# KiCad board SparkFun_RTK_mosaic-T_panelized.kicad_pcb
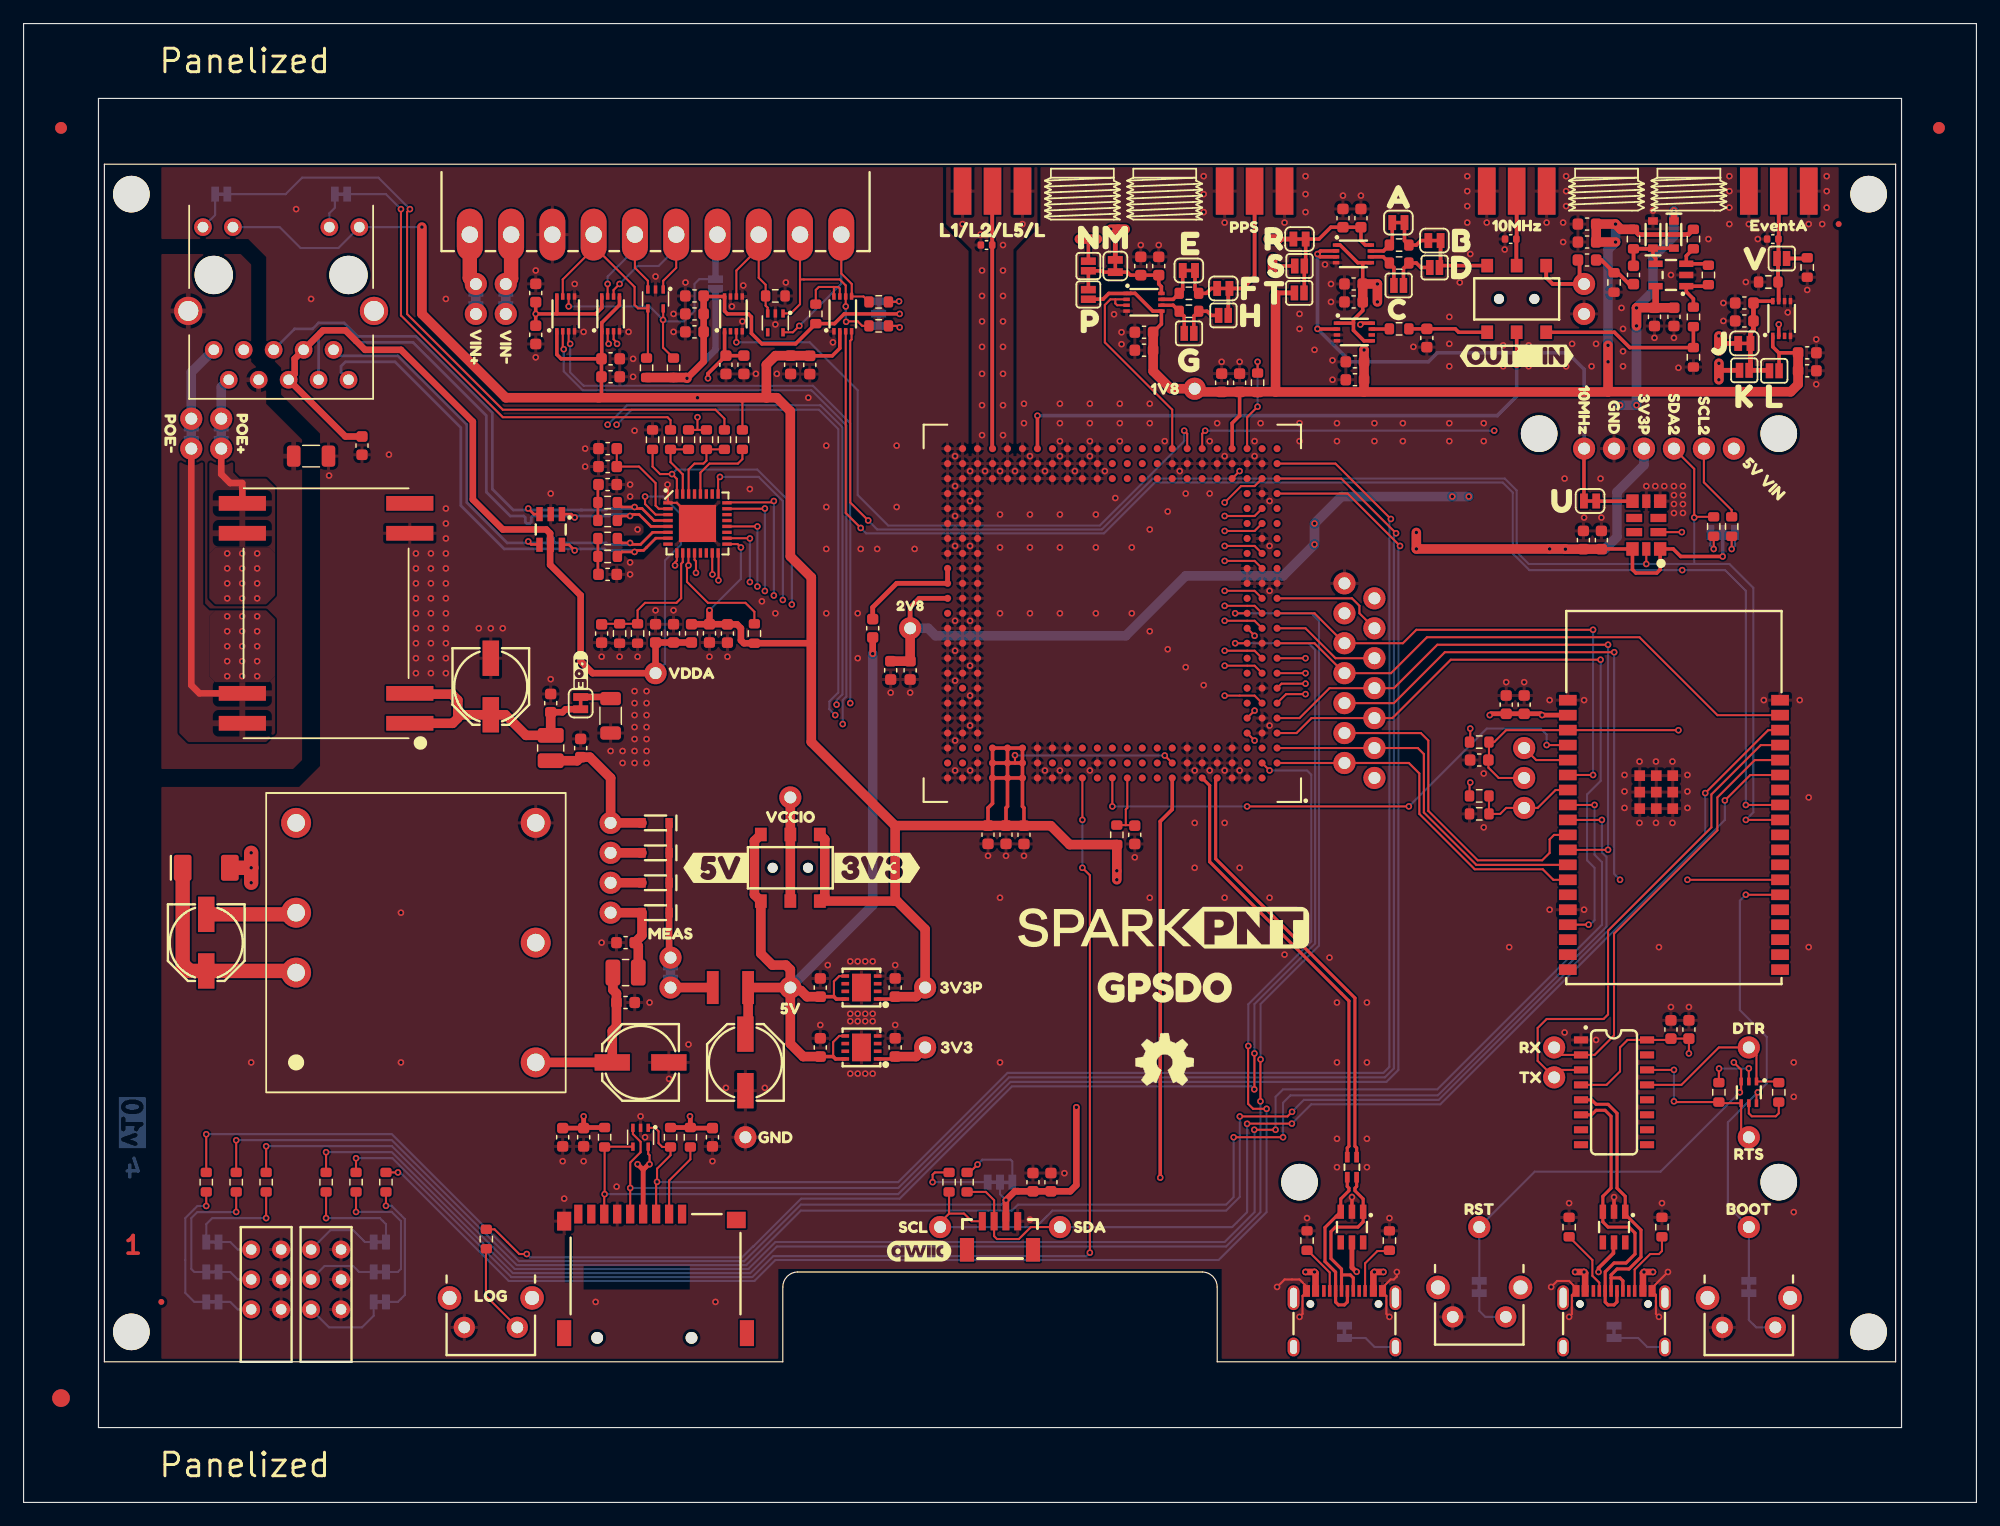
[diagram p0: board, top side]
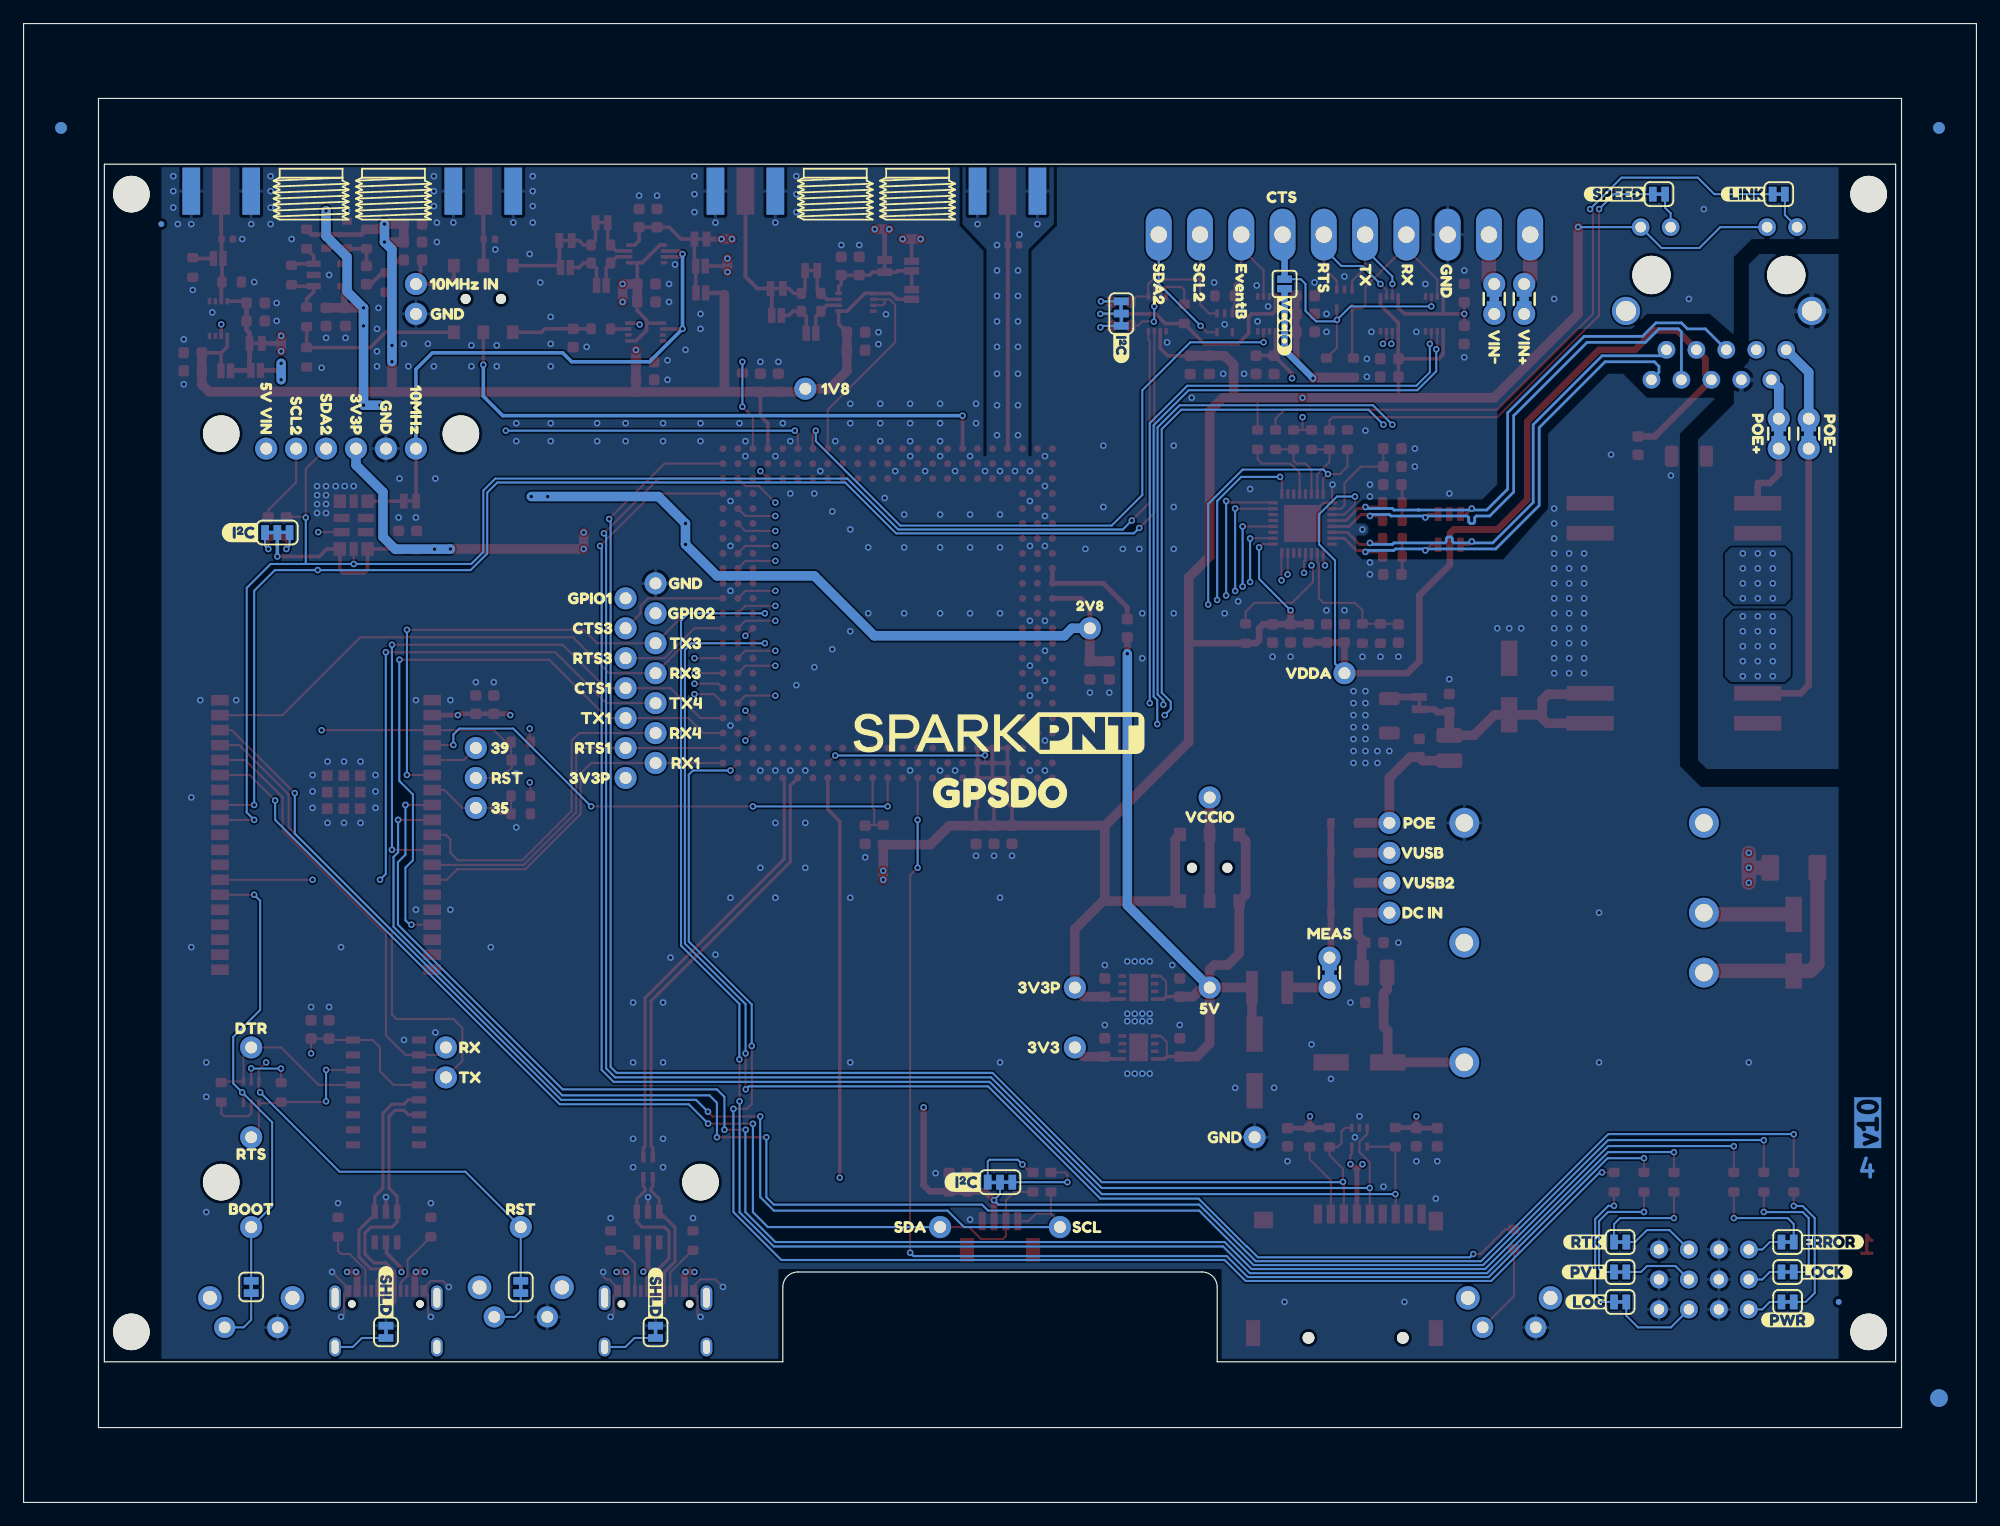
[diagram p1: board, bottom side, seen from below]

Outline 165.6 x 125.46 mm; copper layers: Top, In1.Cu, In2.Cu, Bottom. Coordinates in mm from the lower left corner of the outline.
Outline path: 0,125.46 165.6,125.46 165.6,0 0,0 0,125.46 ; 6.35,119.11 159.25,119.11 159.25,6.35 6.35,6.35 6.35,119.11 ; 6.85,113.53 158.75,113.53 158.75,11.93 101.22,11.93 101.22,18.28 arc(100.84,19.18) 99.94,19.55 65.66,19.55 arc(64.76,19.18) 64.38,18.28 64.38,11.93 6.85,11.93 6.85,113.53
Stack: Top 0.035mm / dielectric 0.1mm FR4 er 4.5 / In1.Cu 0.035mm / dielectric 1.24mm FR4 er 4.5 / In2.Cu 0.035mm / dielectric 0.1mm FR4 er 4.5 / Bottom 0.035mm

## Placement (name value [footprint] x y rotation side)
A.1  ~  [Jumper_2_NC_Trace]  116.58 108.58 0 top
B.1  ~  [Jumper_2_NC_Trace]  119.64 107.05 0 top
C1  10uF  [C_0603_1608Metric]  127.25 67.68 90 top
C2  0.1uF  [C_0603_1608Metric]  125.73 67.68 90 top
C3  0.1uF  [C_0603_1608Metric]  94.23 56.63 90 top
C4  2.2uF  [C_0603_1608Metric]  141.22 40.12 90 top
C5  0.1uF  [C_0603_1608Metric]  139.7 40.12 90 top
C6  100uF  [Panasonic_D]  61.21 37.33 90 top
C7  1.0uF  [C_0603_1608Metric]  67.56 43.68 90 top
C8  1.0uF  [C_0603_1608Metric]  123.44 62.98 180 top
C9  1nF  [C_1206_3216Metric]  24.38 88.77 0 top
C10  0.1uF  [C_0603_1608Metric]  28.7 89.65 270 top
C11  0.1uF  [C_0603_1608Metric]  49.53 78.73 180 top
C12  0.1uF  [C_0603_1608Metric]  49.53 86.35 0 top
C13  2.2uF  [C_0603_1608Metric]  49.53 89.4 180 top
C14  0.1uF  [C_0603_1608Metric]  49.53 87.88 180 top
C15  100pF  [C_0603_1608Metric]  49.02 73.72 270 top
C16  2.2uF  [C_0603_1608Metric]  81.78 56.65 270 top
C17  0.1uF  [C_0603_1608Metric]  83.31 56.65 270 top
C18  2.2uF  [C_0603_1608Metric]  101.6 94.99 90 top
C19  0.1uF  [C_0603_1608Metric]  103.12 94.99 90 top
C20  1.0uF  [C_0603_1608Metric]  67.56 38.6 90 top
C21  1.0uF  [C_0603_1608Metric]  73.91 43.68 90 top
C22  1.0uF  [C_0603_1608Metric]  73.91 38.6 90 top
C23  0.1uF  [C_0603_1608Metric]  58.16 73.73 270 top
C24  2.2uF  [C_0603_1608Metric]  112.78 101.85 180 top
C25  10uF  [C_0603_1608Metric]  59.69 73.72 270 top
C26  0.1uF  [C_0603_1608Metric]  55.11 73.73 90 top
C27  10uF  [C_0603_1608Metric]  53.59 73.73 90 top
C28  0.1uF  [C_0603_1608Metric]  45.72 30.98 270 top
C29  22uF  [C_0603_1608Metric]  84.83 56.63 270 top
C30  10uF  [C_0603_1608Metric]  47.49 30.98 270 top
C31  2.2uF  [C_0603_1608Metric]  58.42 30.98 270 top
C32  100uF  [Panasonic_D]  52.32 37.33 180 top
C33  10uF  [C_0603_1608Metric]  51.05 42.41 0 top
C34  10uF  [C_0603_1608Metric]  51.05 47.49 180 top
C35  47uF  [Panasonic_D]  15.49 47.49 270 top
C36  100uF  [Panasonic_D]  39.62 69.22 270 top
C37  10uF  [C_0603_1608Metric]  44.7 67.81 90 top
C38  10uF  [C_0603_1608Metric]  47.24 64 90 top
C39  2.2uF  [C_0603_1608Metric]  49.78 97.02 0 top
C40  0.1uF  [C_0603_1608Metric]  49.78 95.5 0 top
C41  2.2uF  [C_0603_1608Metric]  43.43 102.61 90 top
C42  0.1uF  [C_0603_1608Metric]  43.43 99.05 270 top
C43  2.2uF  [C_0603_1608Metric]  59.56 96.51 270 top
C44  0.1uF  [C_0603_1608Metric]  61.08 96.51 270 top
C45  2.2uF  [C_0603_1608Metric]  56.89 102.35 180 top
C46  0.1uF  [C_0603_1608Metric]  56.89 100.83 180 top
C47  10uF  [C_0603_1608Metric]  132.27 81.65 90 top
C48  0.1uF  [C_0603_1608Metric]  133.8 81.65 90 top
C49  2.2uF  [C_0603_1608Metric]  111.88 108.96 90 top
C50  0.1uF  [C_0603_1608Metric]  112.78 103.37 180 top
C51  0.1uF  [C_0603_1608Metric]  113.41 108.96 90 top
C52  2.2uF  [C_0603_1608Metric]  112.9 96.77 180 top
C53  10uF  [C_0603_1608Metric]  56.89 99.31 180 top
C54  2.2uF  [C_0603_1608Metric]  85.59 27.17 90 top
C55  33pF  [C_0603_1608Metric]  119 98.79 270 top
C56  2.2uF  [C_0603_1608Metric]  65.05 96.51 270 top
C57  0.1uF  [C_0603_1608Metric]  66.67 96.5 270 top
C59  2.2uF  [C_0603_1608Metric]  151.25 96 0 top
C60  0.1uF  [C_0603_1608Metric]  87.12 27.17 90 top
C61  2.2uF  [C_0603_1608Metric]  145.92 100.23 180 top
C62  0.1uF  [C_0603_1608Metric]  151.25 97.53 0 top
C63  0.1uF  [C_0603_1608Metric]  145.92 101.76 180 top
C64  2.2uF  [C_0603_1608Metric]  95.01 97.75 180 top
C65  2.2uF  [C_0603_1608Metric]  94.74 104.89 90 top
C66  0.1uF  [C_0603_1608Metric]  95.01 99.28 180 top
C67  0.1uF  [C_0603_1608Metric]  96.26 104.89 90 top
C68  0.1uF  [C_0603_1608Metric]  112.9 95.24 180 top
C69  0.1uF  [C_0603_1608Metric]  132.58 108.45 180 top
C70  0.1uF  [C_0603_1608Metric]  138.3 100.58 270 top
C71  2.2uF  [C_0603_1608Metric]  139.95 100.58 270 top
C72  2.2uF  [C_0603_1608Metric]  132.58 106.93 180 top
C73  2.2uF  [C_0603_1608Metric]  73.53 70.59 270 top
C74  0.1uF  [C_0603_1608Metric]  75.18 70.59 270 top
C75  1.0nF  [C_0603_1608Metric]  132.58 105.4 0 top
C76  1.0nF  [C_0603_1608Metric]  136.52 104.13 90 top
C.1  ~  [Jumper_2_NO]  116.61 103.24 0 top
D1  PESD0402  [C_0402_1005Metric]  81.66 106.67 0 top
D2  DT1042-04SO  [SOT23-6]  112.65 23.36 270 top
D3  DT1042-04SO  [SOT23-6]  134.87 23.36 270 top
D4  BAT60A  [SOD-323]  53.59 55.11 180 top
D5  BAT60A  [SOD-323]  53.59 52.57 180 top
D6  DT1042-04SO  [SOT23-6]  44.7 82.54 270 top
D7  DF5A5.6LFU  [SOT-353]  52.32 30.98 270 top
D8  SK34A  [SMA]  15.49 53.84 0 top
D9  BAT60A  [SOD-323]  53.59 50.03 180 top
D10  BAT60A  [SOD-323]  53.59 57.65 180 top
D11  CBI_LED_3mm_YGR  [CBI_LED_Triple_3mm_PTH]  20.57 11.93 0 top
D12  CBI_LED_3mm_YGR  [CBI_LED_Triple_3mm_PTH]  25.65 11.93 0 top
D13  DF5A5.6LFU  [SOT-353]  53.59 102.1 270 top
D14  DF5A5.6LFU  [SOT-353]  63.75 100.07 270 top
D15  PESD0402  [C_0402_1005Metric]  148.33 107.18 0 top
D16  BAS16J  [SOD-323]  139.95 107.56 270 top
D17  PESD0402  [C_0402_1005Metric]  126.11 107.18 0 top
D18  BAS16J  [SOD-323]  138.17 107.56 90 top
D.1  ~  [Jumper_2_NO]  119.66 104.77 0 top
E.1  ~  [Jumper_2_NC_Trace]  98.81 104.51 0 top
F1  6V/2.0A/4.0A  [1210]  59.94 43.68 180 top
F.1  ~  [Jumper_2_NC_Trace]  101.74 102.99 0 top
FID1  Fiducial_0.5mm  [Fiducial_0.5mm_Mask1mm]  153.92 108.45 180 bottom
FID2  Fiducial_0.5mm  [Fiducial_0.5mm_Mask1mm]  11.68 17.01 180 bottom
FID3  Fiducial_0.5mm  [Fiducial_0.5mm_Mask1mm]  11.68 17.01 0 top
FID4  Fiducial_0.5mm  [Fiducial_0.5mm_Mask1mm]  153.92 108.45 0 top
G1  OSHW_Logo  [Creative_Commons_License]  110.99 -2.04 0 top
G***  LOGO  [SparkPNT_Logo_25mm]  96.77 48.76 0 top
G***#2  LOGO  [qwiic_5.5mm]  75.94 21.33 0 top
G***#3  LOGO  [SparkPNT_Logo_25mm]  82.8 65.27 180 bottom
G.1  ~  [Jumper_2_NO]  98.83 99.18 0 top
H.1  ~  [Jumper_2_NO]  101.75 100.7 0 top
J1  -  [SMA_Edge]  82.16 111.24 0 top
J2  USB_C_Receptacle  [USB-C_16]  112.01 18.28 0 top
J3  -  [SMA_Edge]  148.84 111.24 0 top
J4  USB_C_Receptacle  [USB-C_16]  134.87 18.28 0 top
J5  MagJack_PoE  [MagJack_PoE_RJ45]  21.84 104.13 180 top
J6  microSD  [microSD_External_Pin]  53.59 13.96 0 top
J7  Qwiic_Vertical  [JST_SMD_1.0mm-4_Vertical]  82.8 22.34 180 top
J8  -  [SMA_Edge]  126.62 111.24 0 top
J9  -  [Screw_Cage_3.5mm-10]  53.59 110.36 180 top
J12  -  [SMA_Edge]  104.39 111.24 0 top
J.1  ~  [Jumper_2_NC_Trace]  145.92 98.33 180 top
JP1  ~  [Jumper_3_NC-2_Trace]  82.8 27.17 0 bottom
JP2  Measure  [Jumper_2_PTH_SMD_Combo-NC]  38.35 102.1 270 bottom
JP3  Measure  [Jumper_2_PTH_SMD_Combo-NC]  40.89 102.1 270 bottom
JP4  Measure  [Jumper_2_PTH_SMD_Combo-NC]  16.76 90.67 270 bottom
JP5  Measure  [Jumper_2_PTH_SMD_Combo-NC]  14.22 90.67 270 bottom
JP6  Measure  [Jumper_2_PTH_SMD_Combo-NC]  54.86 44.95 270 bottom
JP7  ~  [Jumper_2_NC_Trace]  47.24 67.81 270 top
JP8  ~  [Jumper_2_NC_Trace]  112.01 14.47 270 bottom
JP9  ~  [Jumper_2_NC_Trace]  134.87 14.47 270 bottom
JP10  ~  [Jumper_2_NC_Trace]  123.44 18.28 90 bottom
JP11  ~  [Jumper_2_NC_Trace]  146.3 18.28 90 bottom
JP12  ~  [Jumper_2_NC_Trace]  26.92 110.99 0 bottom
JP13  ~  [Jumper_2_NC_Trace]  16.76 110.99 0 bottom
JP14  ~  [Jumper_3_NC-2_Trace]  144.08 82.28 180 bottom
JP15  ~  [Jumper_2_NO]  58.67 103.37 270 bottom
JP16  ~  [Jumper_2_NC_Trace]  16.01 22.09 0 bottom
JP17  ~  [Jumper_2_NC_Trace]  16.01 19.55 0 bottom
JP18  ~  [Jumper_2_NC_Trace]  16.01 17.01 0 bottom
JP19  ~  [Jumper_2_NC_Trace]  30.21 22.09 180 bottom
JP20  ~  [Jumper_2_NC_Trace]  30.21 19.55 180 bottom
JP21  ~  [Jumper_2_NC_Trace]  30.21 17.01 180 bottom
JP22  ~  [Jumper_3_NC-2_Trace]  72.51 100.86 90 bottom
K.1  ~  [Jumper_2_NO]  145.92 96.04 180 top
kibuzzard-65A7F5A7  G***  [kibuzzard-65A7F5A7]  109.47 65.27 180 bottom
kibuzzard-65A7F5BC  G***  [kibuzzard-65A7F5BC]  109.47 62.73 180 bottom
kibuzzard-65A7F5CF  G***  [kibuzzard-65A7F5CF]  109.47 67.81 180 bottom
kibuzzard-65A7F5E3  G***  [kibuzzard-65A7F5E3]  117.09 66.54 180 bottom
kibuzzard-65A7F440  G***  [kibuzzard-65A7F440]  63.75 30.98 0 top
kibuzzard-65A7F440#2  G***  [kibuzzard-65A7F440]  63.75 30.98 180 bottom
kibuzzard-65A7F499  G***  [kibuzzard-65A7F499]  124.58 61.46 180 bottom
kibuzzard-65A7F511  G***  [kibuzzard-65A7F511]  79.12 38.6 0 top
kibuzzard-65A7F511#2  G***  [kibuzzard-65A7F511]  79.12 38.6 180 bottom
kibuzzard-65A7F548  G***  [kibuzzard-65A7F548]  79.5 43.68 0 top
kibuzzard-65A7F548#2  G***  [kibuzzard-65A7F548]  79.5 43.68 180 bottom
kibuzzard-65A7F771  G***  [kibuzzard-65A7F771]  96.77 94.48 0 top
kibuzzard-65A7F771#2  G***  [kibuzzard-65A7F771]  96.77 94.48 180 bottom
kibuzzard-65A7F891  G***  [kibuzzard-65A7F891]  147.26 82.28 180 bottom
kibuzzard-65A7F891#2  G***  [kibuzzard-65A7F891]  85.97 27.17 180 bottom
kibuzzard-66A11DB0  G***  [kibuzzard-66A11DB0]  109.47 70.35 180 bottom
kibuzzard-66A11DCF  G***  [kibuzzard-66A11DCF]  109.47 72.89 180 bottom
kibuzzard-66A11DE1  G***  [kibuzzard-66A11DE1]  117.34 64 180 bottom
kibuzzard-66A11DF6  G***  [kibuzzard-66A11DF6]  117.6 61.46 180 bottom
kibuzzard-66A11E3D  G***  [kibuzzard-66A11E3D]  117.6 76.7 180 bottom
kibuzzard-66A11E07  G***  [kibuzzard-66A11E07]  117.34 69.08 180 bottom
kibuzzard-66A11E7B  G***  [kibuzzard-66A11E7B]  125.22 58.92 180 bottom
kibuzzard-66A11E14  G***  [kibuzzard-66A11E14]  117.34 71.62 180 bottom
kibuzzard-66A11E22  G***  [kibuzzard-66A11E22]  117.34 74.16 180 bottom
kibuzzard-66A11E31  G***  [kibuzzard-66A11E31]  108.96 75.43 180 bottom
kibuzzard-66A11E48  G***  [kibuzzard-66A11E48]  109.47 77.97 180 bottom
kibuzzard-66A11E61  G***  [kibuzzard-66A11E61]  125.22 64 180 bottom
kibuzzard-66A11EB6  G***  [kibuzzard-66A11EB6]  132.33 92.7 270 top
kibuzzard-66A11EB6#2  G***  [kibuzzard-66A11EB6]  132.33 92.7 270 bottom
kibuzzard-66A11ECA  G***  [kibuzzard-66A11ECA]  137.41 92.32 270 top
kibuzzard-66A11ECA#2  G***  [kibuzzard-66A11ECA]  137.41 92.32 270 bottom
kibuzzard-66A11ED7  G***  [kibuzzard-66A11ED7]  134.87 92.07 270 top
kibuzzard-66A11ED7#2  G***  [kibuzzard-66A11ED7]  134.87 92.07 270 bottom
kibuzzard-66A11ED7#3  G***  [kibuzzard-66A11ED7]  129.66 100.83 180 bottom
kibuzzard-66A11EE6  G***  [kibuzzard-66A11EE6]  142.49 92.19 270 top
kibuzzard-66A11EE6#2  G***  [kibuzzard-66A11EE6]  142.49 92.19 270 bottom
kibuzzard-66A11EF1  G***  [kibuzzard-66A11EF1]  139.95 92.32 270 top
kibuzzard-66A11EF1#2  G***  [kibuzzard-66A11EF1]  139.95 92.32 270 bottom
kibuzzard-66A11F9C  G***  [kibuzzard-66A11F9C]  72.39 53.84 0 top
kibuzzard-66A11F21  G***  [kibuzzard-66A11F21]  65.02 41.9 0 top
kibuzzard-66A11F21#2  G***  [kibuzzard-66A11F21]  65.02 41.9 180 bottom
kibuzzard-66A11F39  G***  [kibuzzard-66A11F39]  65.02 58.16 0 top
kibuzzard-66A11F39#2  G***  [kibuzzard-66A11F39]  65.02 58.16 180 bottom
kibuzzard-66A11FB3  G***  [kibuzzard-66A11FB3]  58.67 53.84 0 top
kibuzzard-66A11FEE  G***  [kibuzzard-66A11FEE]  54.86 48.25 0 top
kibuzzard-66A11FEE#2  G***  [kibuzzard-66A11FEE]  54.86 48.25 180 bottom
kibuzzard-66A36AE8  G***  [kibuzzard-66A36AE8]  134.87 17.9 270 bottom
kibuzzard-66A36AE8#2  G***  [kibuzzard-66A36AE8]  112.01 17.77 270 bottom
kibuzzard-66A36B1F  G***  [kibuzzard-66A36B1F]  39.62 17.52 0 top
kibuzzard-66A36BEE  G***  [kibuzzard-66A36BEE]  58.92 110.74 180 bottom
kibuzzard-66A120AA  G***  [kibuzzard-66A120AA]  33.27 19.55 180 bottom
kibuzzard-66A120EB  G***  [kibuzzard-66A120EB]  33.17 17.01 180 bottom
kibuzzard-66A121BE  G***  [kibuzzard-66A121BE]  123.44 24.88 0 top
kibuzzard-66A121BE#2  G***  [kibuzzard-66A121BE]  123.44 24.88 180 bottom
kibuzzard-66A121D2  G***  [kibuzzard-66A121D2]  146.3 29.55 0 top
kibuzzard-66A121D2#2  G***  [kibuzzard-66A121D2]  146.3 29.55 180 bottom
kibuzzard-66A122A4  G***  [kibuzzard-66A122A4]  56.64 70.35 0 top
kibuzzard-66A122A4#2  G***  [kibuzzard-66A122A4]  56.64 70.35 180 bottom
kibuzzard-66A122D2  G***  [kibuzzard-66A122D2]  38.35 98.04 270 top
kibuzzard-66A122D2#2  G***  [kibuzzard-66A122D2]  38.35 98.04 270 bottom
kibuzzard-66A211A5  G***  [kibuzzard-66A211A5]  30.73 110.99 180 bottom
kibuzzard-66A212C6  G***  [kibuzzard-66A212C6]  58.67 99.81 270 bottom
kibuzzard-66A212DB  G***  [kibuzzard-66A212DB]  51.81 104.13 270 bottom
kibuzzard-66A212E8  G***  [kibuzzard-66A212E8]  55.37 103.88 270 bottom
kibuzzard-66A212F8  G***  [kibuzzard-66A212F8]  44.95 103.62 270 bottom
kibuzzard-66A1201E  G***  [kibuzzard-66A1201E]  46.48 52.57 180 bottom
kibuzzard-66A1223B  G***  [kibuzzard-66A1223B]  127.76 38.6 0 top
kibuzzard-66A1223B#2  G***  [kibuzzard-66A1223B]  127.76 38.6 180 bottom
kibuzzard-66A2129F  G***  [kibuzzard-66A2129F]  48.26 104.13 270 bottom
kibuzzard-66A12010  G***  [kibuzzard-66A12010]  47.24 57.65 180 bottom
kibuzzard-66A12027  G***  [kibuzzard-66A12027]  46.99 55.11 180 bottom
kibuzzard-66A12034  G***  [kibuzzard-66A12034]  46.99 50.03 180 bottom
kibuzzard-66A12099  G***  [kibuzzard-66A12099]  33.27 22.09 180 bottom
kibuzzard-66A12140  G***  [kibuzzard-66A12140]  12.19 22.09 180 bottom
kibuzzard-66A12152  G***  [kibuzzard-66A12152]  12.7 19.55 180 bottom
kibuzzard-66A12161  G***  [kibuzzard-66A12161]  16 15.49 180 bottom
kibuzzard-66A12184  G***  [kibuzzard-66A12184]  75.43 23.36 0 top
kibuzzard-66A12184#2  G***  [kibuzzard-66A12184]  75.43 23.36 180 bottom
kibuzzard-66A12197  G***  [kibuzzard-66A12197]  90.42 23.36 0 top
kibuzzard-66A12197#2  G***  [kibuzzard-66A12197]  90.42 23.36 180 bottom
kibuzzard-66A12248  G***  [kibuzzard-66A12248]  127.76 36.06 0 top
kibuzzard-66A12248#2  G***  [kibuzzard-66A12248]  127.76 36.06 180 bottom
kibuzzard-66A12259  G***  [kibuzzard-66A12259]  146.3 40.22 0 top
kibuzzard-66A12259#2  G***  [kibuzzard-66A12259]  146.3 40.22 180 bottom
kibuzzard-66A12273  G***  [kibuzzard-66A12273]  146.3 24.88 0 top
kibuzzard-66A12273#2  G***  [kibuzzard-66A12273]  146.3 24.88 180 bottom
kibuzzard-66A12315  G***  [kibuzzard-66A12315]  40.89 98.04 270 top
kibuzzard-66A12315#2  G***  [kibuzzard-66A12315]  40.89 98.04 270 bottom
kibuzzard-66A12334  G***  [kibuzzard-66A12334]  18.54 90.67 270 top
kibuzzard-66A12334#2  G***  [kibuzzard-66A12334]  18.54 90.67 270 bottom
kibuzzard-66A12372  G***  [kibuzzard-66A12372]  12.44 90.67 270 top
kibuzzard-66A12372#2  G***  [kibuzzard-66A12372]  12.44 90.67 270 bottom
kibuzzard-66A21191  G***  [kibuzzard-66A21191]  19.81 110.99 180 bottom
kibuzzard-66A21255  G***  [kibuzzard-66A21255]  47.24 70.6 270 top
kibuzzard-66A21310  G***  [kibuzzard-66A21310]  62.35 102.74 270 bottom
kibuzzard-66A21341  G***  [kibuzzard-66A21341]  103.5 108.2 0 top
kibuzzard-66A21351  G***  [kibuzzard-66A21351]  126.62 108.32 0 top
kibuzzard-6710F8E6  G***  [kibuzzard-6710F8E6]  148.84 108.32 0 top
kibuzzard-6717B47E  G***  [kibuzzard-6717B47E]  146.81 105.53 0 top
kibuzzard-6717B190  G***  [kibuzzard-6717B190]  130.43 84.96 0 top
kibuzzard-6718A8DE  G***  [kibuzzard-6718A8DE]  145.03 92.83 270 bottom
kibuzzard-6718A746  G***  [kibuzzard-6718A746]  126.62 97.27 0 top
kibuzzard-6718A870  G***  [kibuzzard-6718A870]  147.57 86.86 315 top
kibuzzard-6718C618  G***  [kibuzzard-6718C618]  128.27 103.37 180 bottom
kibuzzard-65776CDC  G***  [kibuzzard-65776CDC]  82.16 107.94 0 top
kibuzzard-67126CA7  G***  [kibuzzard-67126CA7]  72.51 97.91 270 bottom
kibuzzard-67127BF9  G***  [kibuzzard-67127BF9]  96.77 43.68 0 top
kibuzzard-67127BF9#2  G***  [kibuzzard-67127BF9]  82.8 60.19 180 bottom
kibuzzard-67162BBE  G***  [kibuzzard-67162BBE]  143.76 98.33 0 top
kibuzzard-67162BCC  G***  [kibuzzard-67162BCC]  145.92 93.85 0 top
kibuzzard-67162BE4  G***  [kibuzzard-67162BE4]  148.46 93.85 0 top
kibuzzard-67163F4F  G***  [kibuzzard-67163F4F]  90.42 100.2 0 top
kibuzzard-67163F31  G***  [kibuzzard-67163F31]  92.58 107.31 0 top
kibuzzard-67163F40  G***  [kibuzzard-67163F40]  90.29 107.31 0 top
kibuzzard-671267A7  G***  [kibuzzard-671267A7]  104.01 100.7 0 top
kibuzzard-671267CF  G***  [kibuzzard-671267CF]  75.18 76.07 0 top
kibuzzard-671267DB  G***  [kibuzzard-671267DB]  75.18 76.07 180 bottom
kibuzzard-671267FD  G***  [kibuzzard-671267FD]  116.58 110.74 0 top
kibuzzard-671645B9  G***  [kibuzzard-671645B9]  106.04 107.18 0 top
kibuzzard-671645D5  G***  [kibuzzard-671645D5]  106.17 104.89 0 top
kibuzzard-671646EE  G***  [kibuzzard-671646EE]  106.04 102.61 0 top
kibuzzard-6712235F  G***  [kibuzzard-6712235F]  65.91 103.5 270 bottom
kibuzzard-6712236B  G***  [kibuzzard-6712236B]  69.34 103.37 270 bottom
kibuzzard-6712680B  G***  [kibuzzard-6712680B]  121.92 107.05 0 top
kibuzzard-67126756  G***  [kibuzzard-67126756]  98.93 106.8 0 top
kibuzzard-67126766  G***  [kibuzzard-67126766]  104.01 102.99 0 top
kibuzzard-67126777  G***  [kibuzzard-67126777]  98.8 96.89 0 top
kibuzzard-67126820  G***  [kibuzzard-67126820]  121.92 104.77 0 top
kibuzzard-67126865  G***  [kibuzzard-67126865]  116.46 101.21 0 top
L1  470Ohm  [C_0603_1608Metric]  72 74.16 90 top
L2  470Ohm  [C_0603_1608Metric]  56.64 73.73 90 top
L3  4.7uH  [1008_2520Metric]  51.05 44.95 0 top
L4  4.7uH  [1008_2520Metric]  44.7 64 270 top
L.1  ~  [Jumper_2_NO]  148.46 96 0 top
M.1  ~  [Jumper_2_NC_Trace]  92.58 104.89 90 top
N.1  ~  [Jumper_2_NO]  90.29 104.89 90 top